# Altium PCB LED fix910 RD 2000278 (4F00224A_7P00494A).PcbDoc (part 2 of 3) (continued)
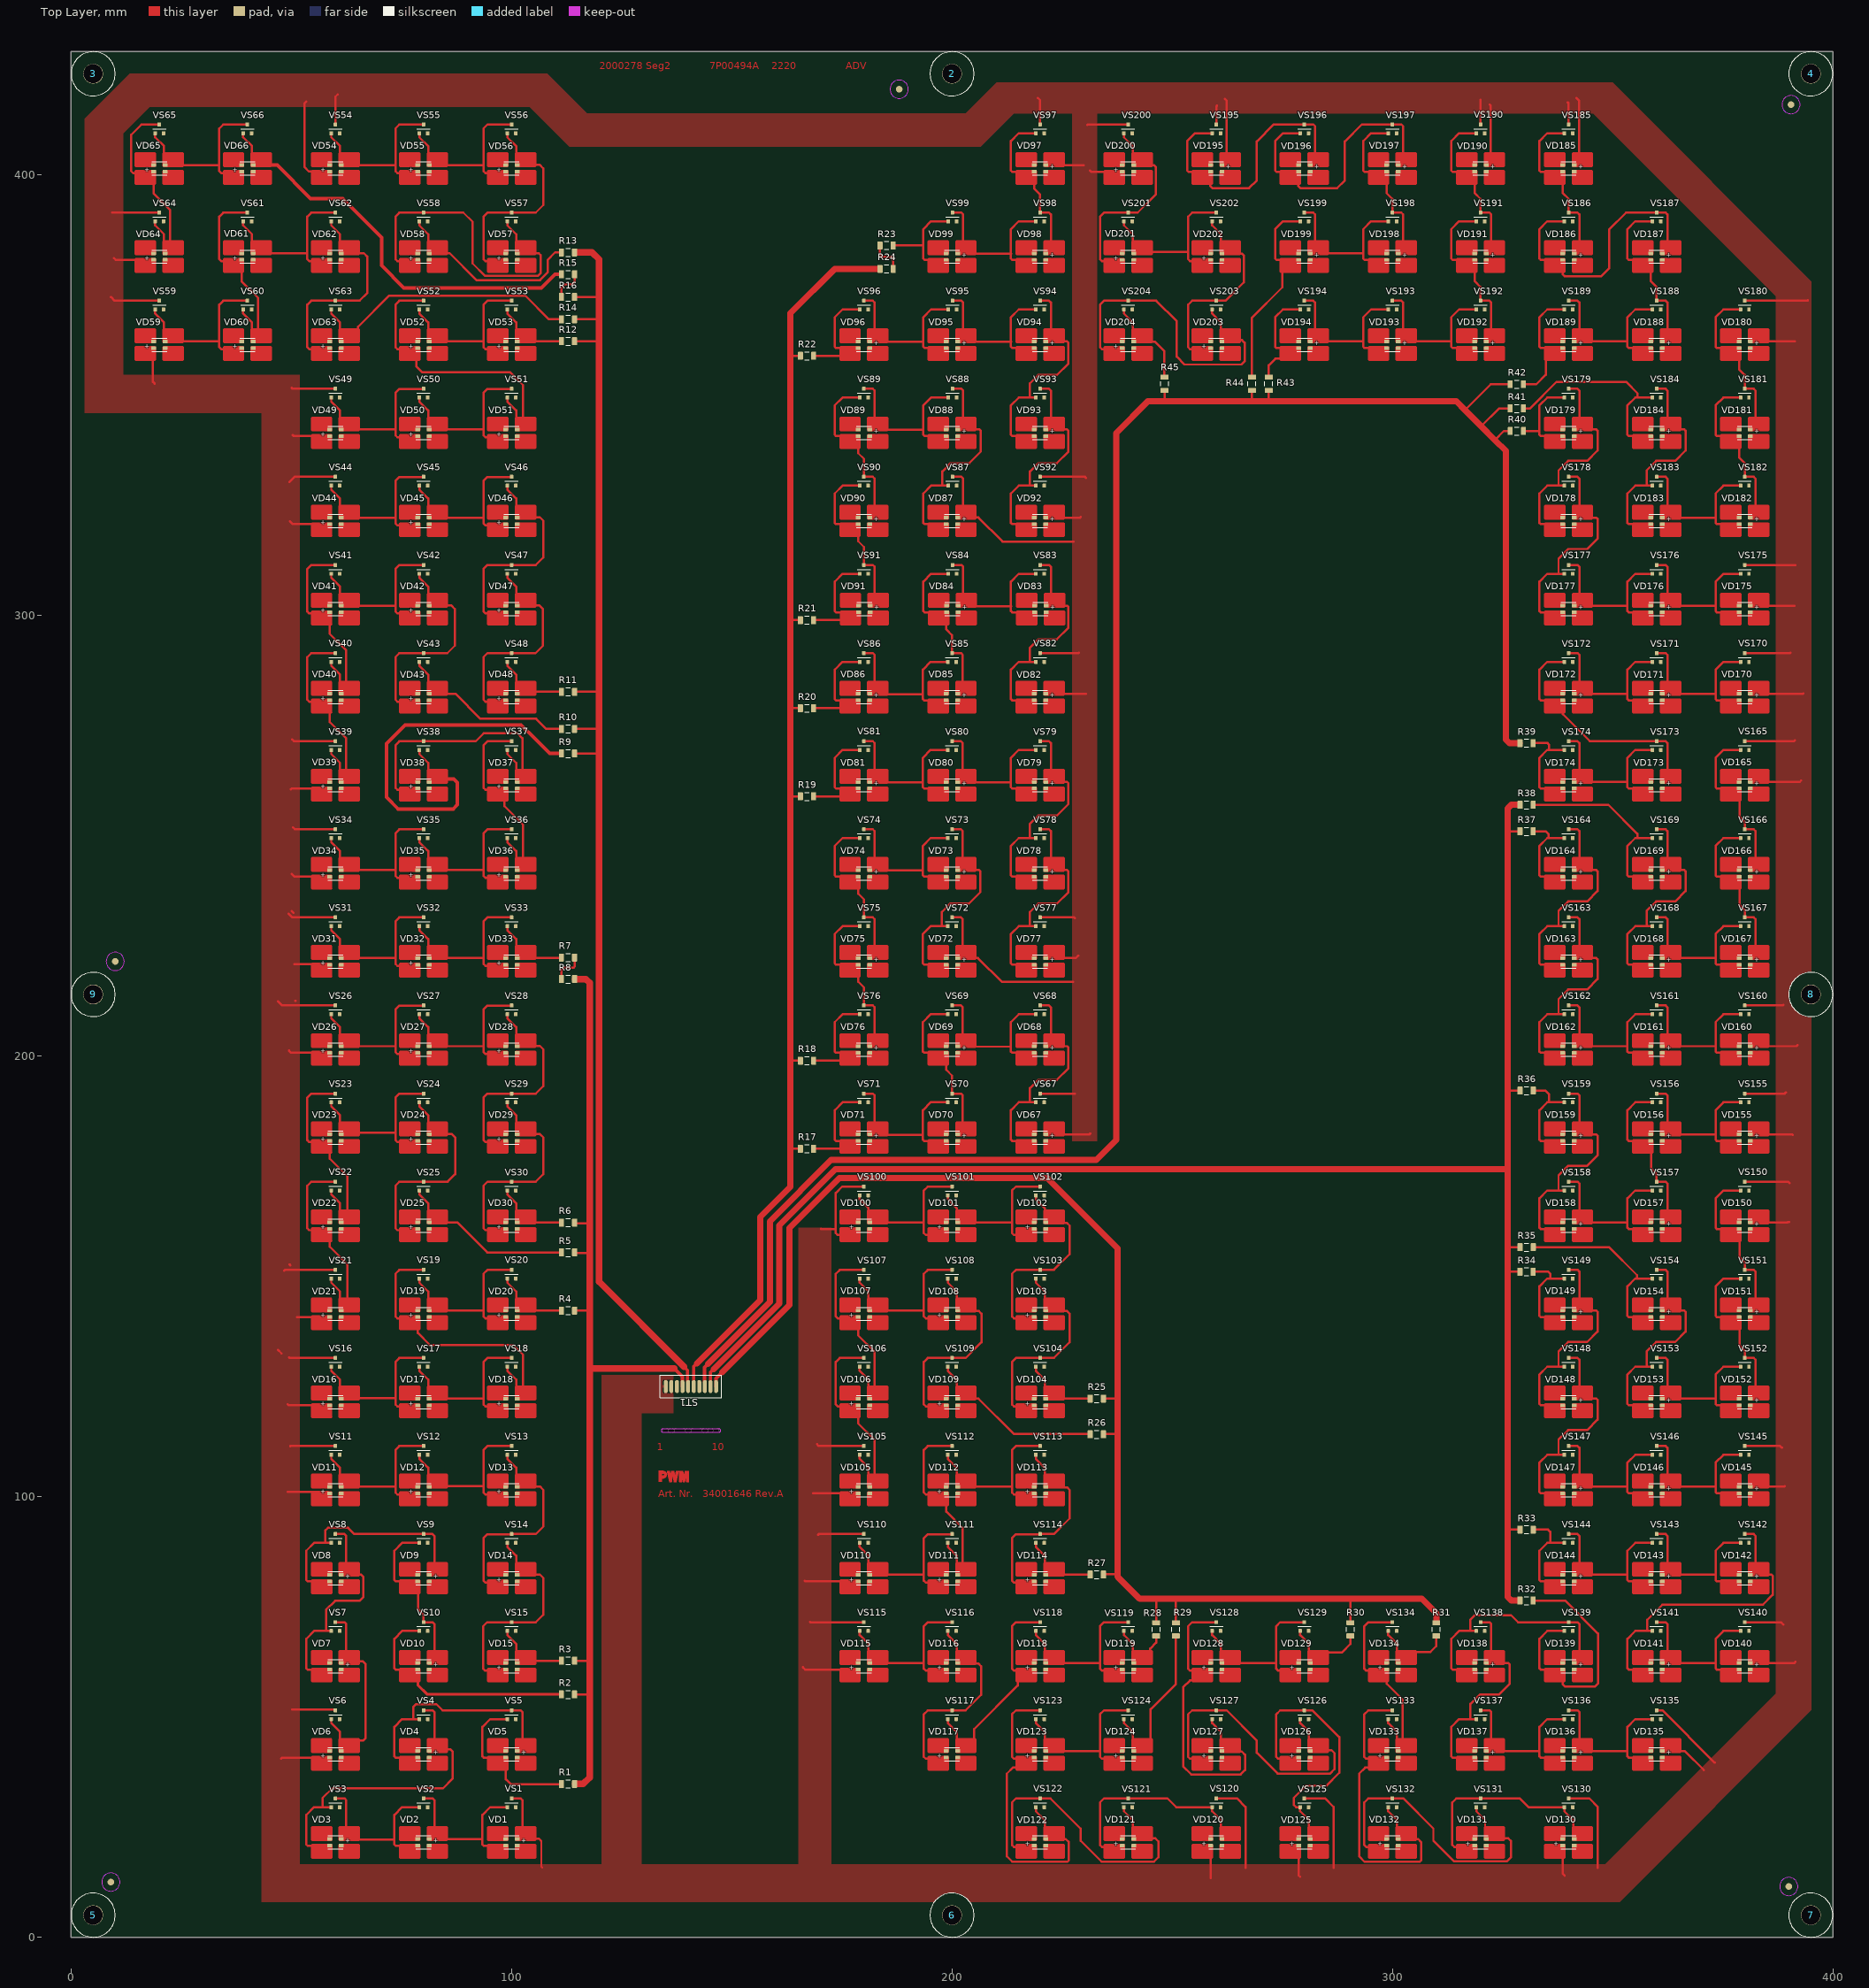
[diagram p0: Top Layer view]
## Nets (pads, with @x,y where several pads share a name; then routed paths per layer and width w, separated by ;. In a path a pad name is that pad's centre, name@x,y a point inside that pad or via, vN(x,y) a via of type N, cw(c..) or ccw(c..) an arc to the next point about the centre after c; other vN are vias at no path point) (continued)
  Top Layer w0.5: 55.187,160.475 54.062,160.475 53.612,160.925 53.612,170.575 54.512,171.475 VS22.3@59.912,171.475 ; VD22.2@58.7,160.75 58.7,156.725 62.75,152.675 62.75,144.725 ; VS21.1@59.05,149.5 59.05,148.575 61.05,146.575 61.05,144.45
NetVD22_1: VD22.1 VD23.2 VS22.1 VS23.3 | length 41.7
  Top Layer w0.5: 55.187,180.475 54.062,180.475 53.612,180.925 53.612,190.575 54.512,191.475 VS23.3@59.912,191.475 ; VD23.2@58.7,180.75 58.7,176.725 62.75,172.675 62.75,164.725 ; VS22.1@59.05,169.5 59.05,168.575 61.05,166.575 61.05,164.45
NetVD23_1: VD23.1 VD24.2 VS23.1 VS24.3 | length 36.4
  Top Layer w0.5: VS23.1@59.05,189.5 59.05,188.575 61.05,186.575 61.05,184.45 ; VD23.1@61.3,182.25 61.45,182.25 61.85,182.65 73.612,182.65 ; 75.187,180.475 74.062,180.475 73.612,180.925 73.612,182.65 ; VS24.3@79.912,191.475 74.512,191.475 73.612,190.575 73.612,182.65
NetVD24_1: VD24.1 VD25.2 VS24.1 VS25.3 | length 42.4
  Top Layer w0.5: 75.187,160.475 74.062,160.475 73.612,160.925 73.612,170.575 74.512,171.475 VS25.3@79.912,171.475 ; VS24.1@79.05,189.5 79.05,188.575 81.05,186.575 81.05,184.45 ; VS25.3@80,171.5 85.5,171.5 87.2,173.2 87.2,181.525 86.425,182.3 85.325,182.3
NetVD26_1: VD26.1 VD27.2 VS26.1 VS27.3 | length 36.3
  Top Layer w0.5: VS26.1@59.05,209.5 59.05,208.575 61.05,206.575 61.05,204.45 ; VD26.1@61.3,202.25 73.537,202.25 73.612,202.175 ; 75.187,200.475 74.062,200.475 73.612,200.925 73.612,202.175 ; VS27.3@79.912,211.475 74.512,211.475 73.612,210.575 73.612,202.175
NetVD27_1: VD27.1 VD28.2 VS27.1 VS28.3 | length 36.3
  Top Layer w0.5: VS27.1@79.05,209.5 79.05,208.575 81.05,206.575 81.05,204.45 ; VD27.1@81.3,202.25 93.537,202.25 93.612,202.175 ; 95.187,200.475 94.062,200.475 93.612,200.925 93.612,202.175 ; VS28.3@99.912,211.475 94.512,211.475 93.612,210.575 93.612,202.175
NetVD28_1: VD28.1 VD29.2 VS28.1 VS29.3 | length 42.4
  Top Layer w0.5: 95.187,180.475 94.062,180.475 93.612,180.925 93.612,190.575 94.512,191.475 VS29.3@99.912,191.475 ; VS28.1@99.05,209.5 99.05,208.575 101.05,206.575 101.05,204.45 ; VS29.3@100,191.5 105.5,191.5 107.2,193.2 107.2,201.525 106.425,202.3 105.325,202.3
NetVD29_1: VD29.1 VD30.2 VS29.1 VS30.3 | length 42.4
  Top Layer w0.5: 95.187,160.475 94.062,160.475 93.612,160.925 93.612,170.575 94.512,171.475 VS30.3@99.912,171.475 ; VS29.1@99.05,189.5 99.05,188.575 101.05,186.575 101.05,184.45 ; VS30.3@100,171.5 105.5,171.5 107.2,173.2 107.2,181.525 106.425,182.3 105.325,182.3
NetVD31_1: VD31.1 VD32.2 VS31.1 VS32.3 | length 36.3
  Top Layer w0.5: VS31.1@59.05,229.5 59.05,228.575 61.05,226.575 61.05,224.45 ; VD31.1@61.3,222.25 73.612,222.25 ; 75.187,220.475 74.062,220.475 73.612,220.925 73.612,222.25 ; VS32.3@79.912,231.475 74.512,231.475 73.612,230.575 73.612,222.25
NetVD32_1: VD32.1 VD33.2 VS32.1 VS33.3 | length 36.3
  Top Layer w0.5: VS32.1@79.05,229.5 79.05,228.575 81.05,226.575 81.05,224.45 ; VD32.1@81.3,222.25 93.512,222.25 93.612,222.35 ; 95.187,220.475 94.062,220.475 93.612,220.925 93.612,222.35 ; VS33.3@99.912,231.475 94.512,231.475 93.612,230.575 93.612,222.35
NetVD34_1: VD34.1 VD35.2 VS34.1 VS35.3 | length 36.3
  Top Layer w0.5: VS34.1@59.05,249.5 59.05,248.575 61.05,246.575 61.05,244.45 ; VD34.1@61.3,242.25 73.612,242.25 ; 75.187,240.475 74.062,240.475 73.612,240.925 73.612,242.25 ; VS35.3@79.912,251.475 74.512,251.475 73.612,250.575 73.612,242.25
NetVD35_1: VD35.1 VD36.2 VS35.1 VS36.3 | length 36.3
  Top Layer w0.5: VS35.1@79.05,249.5 79.05,248.575 81.05,246.575 81.05,244.45 ; VD35.1@81.3,242.25 93.612,242.25 ; 95.187,240.475 94.062,240.475 93.612,240.925 93.612,242.25 ; VS36.3@99.912,251.475 94.512,251.475 93.612,250.575 93.612,242.25
NetVD36_1: VD36.1 VD37.2 VS36.1 VS37.3 | length 42.1
  Top Layer w0.5: 95.187,260.475 94.062,260.475 93.612,260.925 93.612,270.575 94.512,271.475 VS37.3@99.912,271.475 ; VD37.2@98.7,260.75 98.7,258.7 98.4,258.4 98.4,256.725 102.575,252.55 102.575,244.45 ; VS36.1@99.05,249.5 99.05,248.575 101.05,246.575 101.05,244.45
NetVD37_1: VD37.1 VD38.2 VS37.1 VS38.3 | length 55.2
  Top Layer w0.5: 75.187,260.475 74.062,260.475 73.612,260.925 73.612,270.575 74.512,271.475 VS38.3@79.912,271.475 ; VS38.3@80,271.5 91.875,271.5 93.675,273.3 101.325,273.3 102.45,272.175 102.45,264.575 ; VS37.1@99.05,269.5 99.05,268.575 101.05,266.575 101.05,264.45
NetVD39_1: VD39.1 VD40.2 VS39.1 VS40.3 | length 41.8
  Top Layer w0.5: 55.187,280.475 54.062,280.475 53.612,280.925 53.612,290.575 54.512,291.475 VS40.3@59.912,291.475 ; VD40.2@58.7,280.75 58.7,275.85 62.425,272.125 62.425,264.425 ; VS39.1@59.05,269.5 59.05,268.575 61.05,266.575 61.05,264.45
NetVD40_1: VD40.1 VD41.2 VS40.1 VS41.3 | length 41.8
  Top Layer w0.5: 55.187,300.475 54.062,300.475 53.612,300.925 53.612,302.25 53.612,310.575 54.512,311.475 VS41.3@59.912,311.475 ; VD41.2@58.7,300.75 58.7,295.85 62.425,292.125 62.425,284.425 ; VS40.1@59.05,289.5 59.05,288.575 61.05,286.575 61.05,284.45
NetVD41_1: VD41.1 VD42.2 VS41.1 VS42.3 | length 36.3
  Top Layer w0.5: VS41.1@59.05,309.5 59.05,308.575 61.05,306.575 61.05,304.45 ; VD41.1@61.3,302.25 73.612,302.25 ; 75.187,300.475 74.062,300.475 73.612,300.925 73.612,302.25 ; VS42.3@79.912,311.475 74.512,311.475 73.612,310.575 73.612,302.25
NetVD42_1: VD42.1 VD43.2 VS42.1 VS43.3 | length 42.4
  Top Layer w0.5: 75.187,280.475 74.062,280.475 73.612,280.925 73.612,282.25 73.612,290.575 74.512,291.475 79.912,291.475 85.413,291.475 87.113,293.175 87.113,301.5 86.338,302.275 85.238,302.275 ; VS42.1@79.05,309.5 79.05,308.575 81.05,306.575 81.05,304.45
NetVD44_1: VD44.1 VD45.2 VS44.1 VS45.3 | length 36.3
  Top Layer w0.5: VS44.1@59.05,329.5 59.05,328.575 61.05,326.575 61.05,324.45 ; VD44.1@61.3,322.25 73.612,322.25 ; 75.187,320.475 74.062,320.475 73.612,320.925 73.612,322.25 ; VS45.3@79.912,331.475 74.512,331.475 73.612,330.575 73.612,322.25
NetVD45_1: VD45.1 VD46.2 VS45.1 VS46.3 | length 36.3
  Top Layer w0.5: VS45.1@79.05,329.5 79.05,328.575 81.05,326.575 81.05,324.45 ; VD45.1@81.3,322.25 93.612,322.25 ; 95.187,320.475 94.062,320.475 93.612,320.925 93.612,322.25 ; VS46.3@99.912,331.475 94.512,331.475 93.612,330.575 93.612,322.25
NetVD46_1: VD46.1 VD47.2 VS46.1 VS47.3 | length 42.4
  Top Layer w0.5: 95.187,300.475 94.062,300.475 93.612,300.925 93.612,302.25 93.612,310.575 94.512,311.475 VS47.3@99.912,311.475 ; VS46.1@99.05,329.5 99.05,328.575 101.05,326.575 101.05,324.45 ; VS47.3@100,311.5 105.5,311.5 107.2,313.2 107.2,321.525 106.425,322.3 105.325,322.3
NetVD47_1: VD47.1 VD48.2 VS47.1 VS48.3 | length 42.4
  Top Layer w0.5: 95.187,280.475 94.062,280.475 93.612,280.925 93.612,282.25 93.612,290.575 94.512,291.475 99.912,291.475 105.413,291.475 107.113,293.175 107.113,301.5 106.338,302.275 105.238,302.275 ; VS47.1@99.05,309.5 99.05,308.575 101.05,306.575 101.05,304.45
NetVD49_1: VD49.1 VD50.2 VS49.1 VS50.3 | length 36.3
  Top Layer w0.5: VS49.1@59.05,349.5 59.05,348.575 61.05,346.575 61.05,344.45 ; VD49.1@61.3,342.25 73.612,342.25 ; 75.187,340.475 74.062,340.475 73.612,340.925 73.612,342.25 ; VS50.3@79.912,351.475 74.512,351.475 73.612,350.575 73.612,342.25
NetVD50_1: VD50.1 VD51.2 VS50.1 VS51.3 | length 36.3
  Top Layer w0.5: VS50.1@79.05,349.5 79.05,348.575 81.05,346.575 81.05,344.45 ; VD50.1@81.3,342.25 93.612,342.25 ; 95.187,340.475 94.062,340.475 93.612,340.925 93.612,342.25 ; VS51.3@99.912,351.475 94.512,351.475 93.612,350.575 93.612,342.25
NetVD51_1: VD51.1 VD52.2 VS51.1 VS52.3 | length 59.9
  Top Layer w0.5: 75.187,360.475 74.062,360.475 73.612,360.925 73.612,370.575 74.512,371.475 VS52.3@79.912,371.475 ; 78.4,359.15 78.4,356.5 79.7,355.2 99.7,355.2 102.575,352.325 102.575,344.9 ; VS51.1@99.05,349.5 99.05,348.575 101.05,346.575 101.05,344.45
NetVD52_1: VD52.1 VD53.2 VS52.1 VS53.3 | length 36.3
  Top Layer w0.5: VS52.1@79.05,369.5 79.05,368.575 81.05,366.575 81.05,364.45 ; VD52.1@81.3,362.253 93.612,362.253 ; 95.187,360.478 94.062,360.478 93.612,360.928 93.612,362.253 ; VS53.3@99.912,371.478 94.512,371.478 93.612,370.578 93.612,362.253
NetVD54_1: VD54.1 VD55.2 VS54.1 VS55.3 | length 36.3
  Top Layer w0.5: VS54.1@59.05,409.5 59.05,408.575 61.05,406.575 61.05,404.45 ; VD54.1@61.3,402.253 73.612,402.253 ; 75.187,400.475 74.062,400.475 73.612,400.925 73.612,402.25 73.612,410.575 74.512,411.475 VS55.3@79.912,411.475
NetVD55_1: VD55.1 VD56.2 VS55.1 VS56.3 | length 36.3
  Top Layer w0.5: VS55.1@79.05,409.5 79.05,408.575 81.05,406.575 81.05,404.45 ; VD55.1@81.3,402.253 93.612,402.253 ; 95.187,400.475 94.062,400.475 93.612,400.925 93.612,402.25 93.612,410.575 94.512,411.475 VS56.3@99.912,411.475
NetVD56_1: VD56.1 VD57.2 VS56.1 VS57.3 | length 42.4
  Top Layer w0.5: 95.187,380.475 94.062,380.475 93.612,380.925 93.612,382.25 93.612,390.575 94.512,391.475 VS57.3@99.912,391.475 ; VS56.1@99.05,409.5 99.05,408.575 101.05,406.575 101.05,404.45 ; VS57.3@100,391.503 105.5,391.503 107.2,393.203 107.2,401.528 106.425,402.303 105.325,402.303
NetVD57_1: VD57.1 VD58.2 VS57.1 VS58.3 | length 71.9
  Top Layer w0.5: 75.187,380.475 74.062,380.475 73.612,380.925 73.612,390.575 74.512,391.475 VS58.3@79.912,391.475 ; VS58.3@80,391.5 89.025,391.5 91.125,389.4 91.125,379.95 93.975,377.1 105.95,377.1 106.625,377.775 106.625,381.8 106.172,382.253 VD57.1@101.3,382.253 ; VS57.1@99.05,389.5 99.05,388.575 101.05,386.575 101.05,384.45
NetVD59_1: VD59.1 VD60.2 VS59.1 VS60.3 | length 36.3
  Top Layer w0.5: VS59.1@19.05,369.5 19.05,368.575 21.05,366.575 21.05,364.45 ; VD59.1@21.3,362.253 33.612,362.253 ; 35.187,360.475 34.062,360.475 33.612,360.925 33.612,362.25 33.612,370.575 34.512,371.475 VS60.3@39.912,371.475
NetVD60_1: VD60.1 VD61.2 VS60.1 VS61.3 | length 41.8
  Top Layer w0.5: 35.187,380.475 34.062,380.475 33.612,380.925 33.612,382.25 33.612,390.575 34.512,391.475 VS61.3@39.912,391.475 ; VD61.2@38.7,380.753 38.7,375.853 42.425,372.128 42.425,364.428 ; VS60.1@39.05,369.5 39.05,368.575 41.05,366.575 41.05,364.45
NetVD61_1: VD61.1 VD62.2 VS61.1 VS62.3 | length 36.3
  Top Layer w0.5: VS61.1@39.05,389.5 39.05,388.575 41.05,386.575 41.05,384.45 ; VD61.1@41.3,382.253 53.612,382.253 ; 55.187,380.475 54.062,380.475 53.612,380.925 53.612,382.25 53.612,390.575 54.512,391.475 VS62.3@59.912,391.475
NetVD62_1: VD62.1 VD63.2 VS62.1 VS63.3 | length 42.4
  Top Layer w0.5: 55.187,360.475 54.062,360.475 53.612,360.925 53.612,362.25 53.612,370.575 54.512,371.475 VS63.3@59.912,371.475 ; VS62.1@59.05,389.5 59.05,388.575 61.05,386.575 61.05,384.45 ; VS63.3@60,371.503 65.5,371.503 67.2,373.203 67.2,381.528 66.425,382.303 65.325,382.303
NetVD64_1: VD64.1 VD65.2 VS64.1 VS65.3 | length 41
  Top Layer w0.5: 15.187,400.475 14.062,400.475 13.612,400.925 13.612,402.25 13.612,409.137 15.95,411.475 VS65.3@19.912,411.475 ; VD65.2@18.7,400.753 18.7,395.853 22.425,392.128 22.425,384.428 ; VS64.1@19.05,389.5 19.05,388.575 21.05,386.575 21.05,384.45
NetVD65_1: VD65.1 VD66.2 VS65.1 VS66.3 | length 36.3
  Top Layer w0.5: VS65.1@19.05,409.5 19.05,408.575 21.05,406.575 21.05,404.45 ; VD65.1@21.3,402.253 33.612,402.253 ; 35.187,400.475 34.062,400.475 33.612,400.925 33.612,402.25 33.612,410.575 34.512,411.475 VS66.3@39.912,411.475
NetVD67_1: VD67.1 VD68.2 VS67.1 VS68.3 | length 47.2
  Top Layer w0.5: 214.6,180.75 213.668,180.75 213.375,181.043 213.375,187.725 215.15,189.5 217.7,189.5 ; VS67.1@219.05,189.5 217.7,189.5 ; VS68.3@220,211.5 222.025,211.5 222.45,211.075 222.45,204.75 ; VD68.2@221.3,202.25 226.132,202.25 226.425,201.957 226.425,197.225 223.8,194.6 219.575,194.6 217.7,192.725 217.7,189.5
NetVD68_1: VD68.1 VD69.2 VS68.1 VS69.3 | length 35.4
  Top Layer w0.5: VS69.3@200,211.5 202.025,211.5 202.45,211.075 202.45,204.75 ; VD69.2@201.4,202.15 213.375,202.15 ; 214.6,200.75 213.668,200.75 213.375,201.043 213.375,202.15 ; VS68.1@219.05,209.5 215.15,209.5 213.375,207.725 213.375,202.15
NetVD69_1: VD69.1 VD70.2 VS69.1 VS70.3 | length 33.2
  Top Layer w0.5: 194.6,200.75 193.668,200.75 193.375,201.043 193.375,207.725 195.15,209.5 VS69.1@199.05,209.5 ; VD69.1@198.7,200.75 198.7,196.875 200,195.575 VS70.3@200,191.5 202.025,191.5 202.45,191.075 202.45,184.75
NetVD70_1: VD70.1 VD71.2 VS70.1 VS71.3 | length 35.4
  Top Layer w0.5: VS71.3@180,191.5 182.025,191.5 182.45,191.075 182.45,184.75 ; VD71.2@181.4,182.15 193.375,182.15 ; 194.6,180.75 193.668,180.75 193.375,181.043 193.375,182.15 ; VS70.1@199.05,189.5 195.15,189.5 193.375,187.725 193.375,182.15
NetVD72_1: VD72.1 VD73.2 VS72.1 VS73.3 | length 47.2
  Top Layer w0.5: 194.6,220.75 193.668,220.75 193.375,221.043 193.375,222.15 193.375,227.725 195.15,229.5 VS72.1@199.05,229.5 ; 197.7,229.5 197.7,232.725 199.575,234.6 203.8,234.6 206.425,237.225 206.425,241.957 206.132,242.25 VD73.2@201.3,242.25 ; VS73.3@200,251.5 202.025,251.5 202.45,251.075 202.45,244.75
NetVD73_1: VD73.1 VD74.2 VS73.1 VS74.3 | length 35.4
  Top Layer w0.5: VS74.3@180,251.5 182.025,251.5 182.45,251.075 182.45,244.75 ; VD74.2@181.4,242.15 193.375,242.15 ; 194.6,240.75 193.668,240.75 193.375,241.043 193.375,242.15 ; VS73.1@199.05,249.5 195.15,249.5 193.375,247.725 193.375,242.15
NetVD74_1: VD74.1 VD75.2 VS74.1 VS75.3 | length 33.2
  Top Layer w0.5: 174.6,240.75 173.668,240.75 173.375,241.043 173.375,242.15 173.375,247.725 175.15,249.5 VS74.1@179.05,249.5 ; VD74.1@178.7,240.75 178.7,236.875 180,235.575 VS75.3@180,231.5 182.025,231.5 182.45,231.075 182.45,224.75
NetVD75_1: VD75.1 VD76.2 VS75.1 VS76.3 | length 33.2
  Top Layer w0.5: 174.6,220.75 173.668,220.75 173.375,221.043 173.375,222.15 173.375,227.725 175.15,229.5 VS75.1@179.05,229.5 ; VD75.1@178.7,220.75 178.7,216.875 180,215.575 VS76.3@180,211.5 182.025,211.5 182.45,211.075 182.45,204.75
NetVD77_1: VD77.1 VD78.2 VS77.1 VS78.3 | length 47.2
  Top Layer w0.5: 214.6,220.75 213.668,220.75 213.375,221.043 213.375,222.15 213.375,227.725 215.15,229.5 VS77.1@219.05,229.5 ; 217.7,229.5 217.7,232.725 219.575,234.6 223.8,234.6 226.425,237.225 226.425,241.957 226.132,242.25 VD78.2@221.3,242.25 ; VS78.3@220,251.5 222.025,251.5 222.45,251.075 222.45,244.75
NetVD78_1: VD78.1 VD79.2 VS78.1 VS79.3 | length 47.2
  Top Layer w0.5: 214.6,240.75 213.668,240.75 213.375,241.043 213.375,242.15 213.375,247.725 215.15,249.5 VS78.1@219.05,249.5 ; 217.7,249.5 217.7,252.725 219.575,254.6 223.8,254.6 226.425,257.225 226.425,261.957 226.132,262.25 VD79.2@221.3,262.25 ; VS79.3@220,271.5 222.025,271.5 222.45,271.075 222.45,264.75
NetVD79_1: VD79.1 VD80.2 VS79.1 VS80.3 | length 35.4
  Top Layer w0.5: VS80.3@200,271.5 202.025,271.5 202.45,271.075 202.45,264.75 ; VD80.2@201.4,262.15 213.375,262.15 ; 214.6,260.75 213.668,260.75 213.375,261.043 213.375,262.15 ; VS79.1@219.05,269.5 215.15,269.5 213.375,267.725 213.375,262.15
NetVD80_1: VD80.1 VD81.2 VS80.1 VS81.3 | length 35.4
  Top Layer w0.5: VS81.3@180,271.5 182.025,271.5 182.45,271.075 182.45,264.75 ; VD81.2@181.4,262.15 193.375,262.15 ; 194.6,260.75 193.668,260.75 193.375,261.043 193.375,262.15 ; VS80.1@199.05,269.5 195.15,269.5 193.375,267.725 193.375,262.15
NetVD82_1: VD82.1 VD83.2 VS82.1 VS83.3 | length 47.2
  Top Layer w0.5: 214.6,280.75 213.668,280.75 213.375,281.043 213.375,282.15 213.375,287.725 215.15,289.5 VS82.1@219.05,289.5 ; 217.7,289.5 217.7,292.725 219.575,294.6 223.8,294.6 226.425,297.225 226.425,301.957 226.132,302.25 VD83.2@221.3,302.25 ; VS83.3@220,311.5 222.025,311.5 222.45,311.075 222.45,304.75
NetVD83_1: VD83.1 VD84.2 VS83.1 VS84.3 | length 35.4
  Top Layer w0.5: VS84.3@200.1,311.5 202.126,311.5 202.551,311.075 202.551,304.75 ; VD84.2@201.501,302.15 213.476,302.15 ; 214.6,300.75 213.668,300.75 213.375,301.043 213.375,302.15 213.375,307.725 215.15,309.5 VS83.1@219.05,309.5
NetVD84_1: VD84.1 VD85.2 VS84.1 VS85.3 | length 33.2
  Top Layer w0.5: 194.701,300.75 193.768,300.75 193.476,301.043 193.476,302.15 193.476,307.725 195.25,309.5 VS84.1@199.15,309.5 ; VD84.1@198.7,300.75 198.7,296.875 200,295.575 VS85.3@200,291.5 202.025,291.5 202.45,291.075 202.45,284.75
NetVD85_1: VD85.1 VD86.2 VS85.1 VS86.3 | length 35.4
  Top Layer w0.5: VS86.3@180,291.5 182.025,291.5 182.45,291.075 182.45,284.75 ; VD86.2@181.4,282.15 193.375,282.15 ; 194.6,280.75 193.668,280.75 193.375,281.043 193.375,282.15 ; VS85.1@199.05,289.5 195.15,289.5 193.375,287.725 193.375,282.15
NetVD87_1: VD87.1 VD88.2 VS87.1 VS88.3 | length 47.2
  Top Layer w0.5: 194.701,320.75 193.768,320.75 193.476,321.043 193.476,322.15 193.476,327.725 195.25,329.5 VS87.1@199.15,329.5 ; 197.801,329.5 197.801,332.725 199.676,334.6 203.901,334.6 206.526,337.225 206.526,341.957 206.233,342.25 VD88.2@201.401,342.25 ; VS88.3@200.1,351.5 202.126,351.5 202.551,351.075 202.551,344.75
NetVD88_1: VD88.1 VD89.2 VS88.1 VS89.3 | length 35.4
  Top Layer w0.5: VS89.3@180,351.5 182.025,351.5 182.45,351.075 182.45,344.75 ; VD89.2@181.4,342.15 193.375,342.15 ; 194.701,340.75 193.768,340.75 193.476,341.043 193.476,342.15 193.476,347.725 195.25,349.5 VS88.1@199.15,349.5
NetVD89_1: VD89.1 VD90.2 VS89.1 VS90.3 | length 33.2
  Top Layer w0.5: 174.6,340.75 173.668,340.75 173.375,341.043 173.375,342.15 173.375,347.725 175.15,349.5 VS89.1@179.05,349.5 ; VD89.1@178.7,340.75 178.7,336.875 180,335.575 VS90.3@180,331.5 182.025,331.5 182.45,331.075 182.45,324.75
NetVD90_1: VD90.1 VD91.2 VS90.1 VS91.3 | length 33.2
  Top Layer w0.5: 174.6,320.75 173.668,320.75 173.375,321.043 173.375,322.15 173.375,327.725 175.15,329.5 VS90.1@179.05,329.5 ; VD90.1@178.7,320.75 178.7,316.875 180,315.575 VS91.3@180,311.5 182.025,311.5 182.45,311.075 182.45,304.75
NetVD92_1: VD92.1 VD93.2 VS92.1 VS93.3 | length 47.2
  Top Layer w0.5: 214.6,320.75 213.668,320.75 213.375,321.043 213.375,322.15 213.375,327.725 215.15,329.5 VS92.1@219.05,329.5 ; 217.7,329.5 217.7,332.725 219.575,334.6 223.8,334.6 226.425,337.225 226.425,341.957 226.132,342.25 VD93.2@221.3,342.25 ; VS93.3@220,351.5 222.025,351.5 222.45,351.075 222.45,344.75
NetVD93_1: VD93.1 VD94.2 VS93.1 VS94.3 | length 47.2
  Top Layer w0.5: 214.6,340.75 213.668,340.75 213.375,341.043 213.375,342.15 213.375,347.725 215.15,349.5 VS93.1@219.05,349.5 ; 217.7,349.5 217.7,352.725 219.575,354.6 223.8,354.6 226.425,357.225 226.425,361.957 226.132,362.25 VD94.2@221.3,362.25 ; VS94.3@220,371.5 222.025,371.5 222.45,371.075 222.45,364.75
NetVD94_1: VD94.1 VD95.2 VS94.1 VS95.3 | length 35.4
  Top Layer w0.5: VS95.3@200.1,371.5 202.126,371.5 202.551,371.075 202.551,364.75 ; VD95.2@201.501,362.15 213.476,362.15 ; 214.6,360.75 213.668,360.75 213.375,361.043 213.375,362.15 213.375,367.725 215.15,369.5 VS94.1@219.05,369.5
NetVD95_1: VD95.1 VD96.2 VS95.1 VS96.3 | length 35.4
  Top Layer w0.5: VS96.3@180,371.5 182.025,371.5 182.45,371.075 182.45,364.75 ; VD96.2@181.4,362.15 193.375,362.15 ; 194.701,360.75 193.768,360.75 193.476,361.043 193.476,362.15 193.476,367.725 195.25,369.5 VS95.1@199.15,369.5
NetVD97_1: VD97.1 VD98.2 VS97.1 VS98.3 | length 33.2
  Top Layer w0.5: 214.6,400.75 213.668,400.75 213.375,401.043 213.375,402.15 213.375,407.725 215.15,409.5 VS97.1@219.05,409.5 ; VD97.1@218.7,400.75 218.7,396.875 220,395.575 VS98.3@220,391.5 222.025,391.5 222.45,391.075 222.45,384.75
NetVD98_1: VD98.1 VD99.2 VS98.1 VS99.3 | length 35.4
  Top Layer w0.5: VS99.3@200.1,391.5 202.126,391.5 202.551,391.075 202.551,384.75 ; VD99.2@201.501,382.15 213.476,382.15 ; 214.6,380.75 213.668,380.75 213.375,381.043 213.375,382.15 213.375,387.725 215.15,389.5 VS98.1@219.05,389.5
NetVD100_1: VD100.1 VD101.2 VS100.1 VS101.3 | length 36.3
  Top Layer w0.5: VS100.1@179.05,168.4 179.05,167.475 181.05,165.475 181.05,163.35 ; VD100.1@181.3,162.25 193.487,162.25 193.612,162.375 ; 195.187,159.375 194.062,159.375 193.612,159.825 193.612,162.375 ; VS101.3@199.912,170.375 194.512,170.375 193.612,169.475 193.612,162.375
NetVD101_1: VD101.1 VD102.2 VS101.1 VS102.3 | length 36.3
  Top Layer w0.5: VS101.1@199.05,168.4 199.05,167.475 201.05,165.475 201.05,163.35 ; VD101.1@201.3,162.25 213.587,162.25 213.612,162.275 ; 215.187,159.375 214.062,159.375 213.612,159.825 213.612,162.275 ; VS102.3@219.912,170.375 214.512,170.375 213.612,169.475 213.612,162.275
NetVD102_1: VD102.1 VD103.2 VS102.1 VS103.3 | length 44.3
  Top Layer w0.5: 215.187,140.475 214.062,140.475 213.612,140.925 213.612,150.575 214.512,151.475 VS103.3@219.912,151.475 ; VS102.1@219.05,168.4 219.05,167.475 221.05,165.475 221.05,163.35 ; VS103.3@220,151.5 223.15,151.5 226.7,155.05 226.7,161.525 226.125,162.1 222.2,162.1 222.169,162.131 221.419,162.131 VD102.1@221.3,162.25
NetVD103_1: VD103.1 VD104.2 VS103.1 VS104.3 | length 43.3
  Top Layer w0.5: 215.187,120.475 214.062,120.475 213.612,120.925 213.612,130.575 214.512,131.475 VS104.3@219.912,131.475 ; VS103.1@219.05,149.5 219.05,148.575 221.05,146.575 221.05,144.45 ; VS104.3@220,131.5 223.15,131.5 226.7,135.05 226.7,141.525 226.125,142.1 222.2,142.1
NetVD105_1: VD105.1 VD106.2 VS105.1 VS106.3 | length 41.7
  Top Layer w0.5: 175.187,120.475 174.062,120.475 173.612,120.925 173.612,130.575 174.512,131.475 VS106.3@179.912,131.475 ; VD106.2@178.7,120.75 178.7,116.6 182.45,112.85 182.45,104.55 ; VS105.1@179.05,109.5 179.05,108.575 181.05,106.575 181.05,104.45
NetVD106_1: VD106.1 VD107.2 VS106.1 VS107.3 | length 41.7
  Top Layer w0.5: 175.187,140.475 174.062,140.475 173.612,140.925 173.612,150.575 174.512,151.475 VS107.3@179.912,151.475 ; VD107.2@178.7,140.75 178.7,136.6 182.45,132.85 182.45,124.55 ; VS106.1@179.05,129.5 179.05,128.575 181.05,126.575 181.05,124.45
NetVD107_1: VD107.1 VD108.2 VS107.1 VS108.3 | length 36.3
  Top Layer w0.5: VS107.1@179.05,149.5 179.05,148.575 181.05,146.575 181.05,144.45 ; VD107.1@181.3,142.25 193.562,142.25 193.612,142.3 ; 195.187,140.475 194.062,140.475 193.612,140.925 193.612,142.3 ; VS108.3@199.912,151.475 194.512,151.475 193.612,150.575 193.612,142.3
NetVD108_1: VD108.1 VD109.2 VS108.1 VS109.3 | length 43.3
  Top Layer w0.5: 195.187,120.475 194.062,120.475 193.612,120.925 193.612,130.575 194.512,131.475 VS109.3@199.912,131.475 ; VS108.1@199.05,149.5 199.05,148.575 201.05,146.575 201.05,144.45 ; VS109.3@200,131.5 203.15,131.5 206.7,135.05 206.7,141.525 206.125,142.1 202.2,142.1
NetVD110_1: VD110.1 VD111.2 VS110.1 VS111.3 | length 36.3
  Top Layer w0.5: VS110.1@179.05,89.5 179.05,88.575 181.05,86.575 181.05,84.45 ; VD110.1@181.3,82.25 193.587,82.25 193.612,82.275 ; 195.187,80.475 194.062,80.475 193.612,80.925 193.612,82.275 ; VS111.3@199.912,91.475 194.512,91.475 193.612,90.575 193.612,82.275
NetVD111_1: VD111.1 VD112.2 VS111.1 VS112.3 | length 41.7
  Top Layer w0.5: 195.187,100.475 194.062,100.475 193.612,100.925 193.612,110.575 194.512,111.475 VS112.3@199.912,111.475 ; VD112.2@198.7,100.75 198.7,96.6 202.45,92.85 202.45,84.55 ; VS111.1@199.05,89.5 199.05,88.575 201.05,86.575 201.05,84.45
NetVD112_1: VD112.1 VD113.2 VS112.1 VS113.3 | length 36.3
  Top Layer w0.5: VS112.1@199.05,109.5 199.05,108.575 201.05,106.575 201.05,104.45 ; VD112.1@201.3,102.25 213.537,102.25 213.612,102.325 ; 215.187,100.475 214.062,100.475 213.612,100.925 213.612,102.325 ; VS113.3@219.912,111.475 214.512,111.475 213.612,110.575 213.612,102.325
NetVD113_1: VD113.1 VD114.2 VS113.1 VS114.3 | length 43.3
  Top Layer w0.5: 215.187,80.475 214.062,80.475 213.612,80.925 213.612,90.575 214.512,91.475 VS114.3@219.912,91.475 ; VS113.1@219.05,109.5 219.05,108.575 221.05,106.575 221.05,104.45 ; VS114.3@220,91.5 223.15,91.5 226.7,95.05 226.7,101.525 226.125,102.1 222.2,102.1
NetVD115_1: VD115.1 VD116.2 VS115.1 VS116.3 | length 36.3
  Top Layer w0.5: VS115.1@179.05,69.5 179.05,68.575 181.05,66.575 181.05,64.45 ; VD115.1@181.3,62.25 193.487,62.25 193.612,62.125 ; 195.187,60.475 194.062,60.475 193.612,60.925 193.612,62.125 ; VS116.3@199.912,71.475 194.512,71.475 193.612,70.575 193.612,62.125
NetVD116_1: VD116.1 VD117.2 VS116.1 VS117.3 | length 43.3
  Top Layer w0.5: 195.187,40.475 194.062,40.475 193.612,40.925 193.612,50.575 194.512,51.475 199.912,51.475 203.063,51.475 206.613,55.025 206.613,61.5 206.038,62.075 202.113,62.075 ; VS116.1@199.05,69.5 199.05,68.575 201.05,66.575 201.05,64.45
NetVD117_1: VD117.1 VD118.2 VS117.1 VS118.3 | length 42.5
  Top Layer w0.5: VS117.1@199.05,49.5 199.05,48.575 201.05,46.575 201.05,44.45 ; 205.05,44.8 205.05,47.25 214.918,57.118 214.918,59.207 214.875,59.25 ; 215.187,60.475 214.062,60.475 213.612,60.925 213.612,70.575 214.512,71.475 VS118.3@219.912,71.475
NetVD118_1: VD118.1 VD119.2 VS118.1 VS119.3 | length 36.3
  Top Layer w0.5: VS118.1@219.05,69.5 219.05,68.575 221.05,66.575 221.05,64.45 ; VD118.1@221.3,62.25 233.437,62.25 233.612,62.425 ; 235.187,60.475 234.062,60.475 233.612,60.925 233.612,62.425 ; VS119.3@239.912,71.475 234.512,71.475 233.612,70.575 233.612,62.425
NetVD120_1: VD120.1 VD121.2 VS120.1 VS121.3 | length 43.8
  Top Layer w0.5: 235.187,20.475 234.062,20.475 233.612,20.925 233.612,30.575 234.512,31.475 VS121.3@239.912,31.475 ; VS121.3@240,31.5 248.9,31.5 250.9,29.5 VS120.1@259.05,29.5 259.05,28.575 261.05,26.575 261.05,24.45
NetVD121_1: VD121.1 VD122.2 VS121.1 VS122.3 | length 64.7
  Top Layer w0.5: 215.187,20.475 214.062,20.475 213.612,20.925 213.612,30.575 214.512,31.475 219.912,31.475 222.363,31.475 229.213,24.625 229.213,21.875 233.938,17.15 245.888,17.15 246.863,18.125 246.863,21.75 246.188,22.425 244.938,22.425 ; VS121.1@239.05,29.5 239.05,28.575 241.05,26.575 241.05,24.45
NetVD122_1: VD122.1 VD123.2 VS122.1 VS123.3 | length 70.3
  Top Layer w0.5: 215.15,38.475 213.825,38.475 212.45,37.1 212.45,18.35 213.675,17.125 226.232,17.125 226.525,17.418 226.525,21.575 225.85,22.25 VD122.1@221.3,22.25 ; 215.187,40.475 214.062,40.475 213.612,40.925 213.612,50.575 214.512,51.475 VS123.3@219.912,51.475 ; VS122.1@219.05,29.5 219.05,28.575 221.05,26.575 221.05,24.45
NetVD123_1: VD123.1 VD124.2 VS123.1 VS124.3 | length 36.3
  Top Layer w0.5: VS123.1@219.05,49.5 219.05,48.575 221.05,46.575 221.05,44.45 ; VD123.1@221.3,42.25 233.612,42.25 ; 235.187,40.475 234.062,40.475 233.612,40.925 233.612,42.25 ; VS124.3@239.912,51.475 234.512,51.475 233.612,50.575 233.612,42.25

## Text inside footprints (layer, text, board x,y; h text height)
VD53: Top Overlay "+" at 97.8,361.605 h1 r180; Mechanical 13 "+" at 98.095,361.505 h1.25 r180
VD54: Top Overlay "+" at 57.8,401.603 h1 r180; Mechanical 13 "+" at 58.095,401.503 h1.25 r180
VD55: Top Overlay "+" at 77.8,401.603 h1 r180; Mechanical 13 "+" at 78.095,401.503 h1.25 r180
VD56: Top Overlay "+" at 97.8,401.603 h1 r180; Mechanical 13 "+" at 98.095,401.503 h1.25 r180
VD57: Top Overlay "+" at 97.8,381.603 h1 r180; Mechanical 13 "+" at 98.095,381.503 h1.25 r180
VD58: Top Overlay "+" at 77.8,381.603 h1 r180; Mechanical 13 "+" at 78.095,381.503 h1.25 r180
VD59: Top Overlay "+" at 17.8,361.603 h1 r180; Mechanical 13 "+" at 18.095,361.503 h1.25 r180
VD60: Top Overlay "+" at 37.8,361.603 h1 r180; Mechanical 13 "+" at 38.095,361.503 h1.25 r180
VD61: Top Overlay "+" at 37.8,381.603 h1 r180; Mechanical 13 "+" at 38.095,381.503 h1.25 r180
VD62: Top Overlay "+" at 57.8,381.603 h1 r180; Mechanical 13 "+" at 58.095,381.503 h1.25 r180
VD63: Top Overlay "+" at 57.8,361.603 h1 r180; Mechanical 13 "+" at 58.095,361.503 h1.25 r180
VD64: Top Overlay "+" at 17.8,381.603 h1 r180; Mechanical 13 "+" at 18.095,381.503 h1.25 r180
VD65: Top Overlay "+" at 17.8,401.603 h1 r180; Mechanical 13 "+" at 18.095,401.503 h1.25 r180
VD66: Top Overlay "+" at 37.8,401.603 h1 r180; Mechanical 13 "+" at 38.095,401.503 h1.25 r180
VD67: Top Overlay "+" at 222.2,181.4 h1; Mechanical 13 "+" at 221.905,181.5 h1.25
VD68: Top Overlay "+" at 222.2,201.4 h1; Mechanical 13 "+" at 221.905,201.5 h1.25
VD69: Top Overlay "+" at 202.2,201.4 h1; Mechanical 13 "+" at 201.905,201.5 h1.25
VD70: Top Overlay "+" at 202.2,181.4 h1; Mechanical 13 "+" at 201.905,181.5 h1.25
VD71: Top Overlay "+" at 182.2,181.4 h1; Mechanical 13 "+" at 181.905,181.5 h1.25
VD72: Top Overlay "+" at 202.2,221.4 h1; Mechanical 13 "+" at 201.905,221.5 h1.25
VD73: Top Overlay "+" at 202.2,241.4 h1; Mechanical 13 "+" at 201.905,241.5 h1.25
VD74: Top Overlay "+" at 182.2,241.4 h1; Mechanical 13 "+" at 181.905,241.5 h1.25
VD75: Top Overlay "+" at 182.2,221.4 h1; Mechanical 13 "+" at 181.905,221.5 h1.25
VD76: Top Overlay "+" at 182.2,201.4 h1; Mechanical 13 "+" at 181.905,201.5 h1.25
VD77: Top Overlay "+" at 222.2,221.4 h1; Mechanical 13 "+" at 221.905,221.5 h1.25
VD78: Top Overlay "+" at 222.2,241.4 h1; Mechanical 13 "+" at 221.905,241.5 h1.25
VD79: Top Overlay "+" at 222.2,261.4 h1; Mechanical 13 "+" at 221.905,261.5 h1.25
VD80: Top Overlay "+" at 202.2,261.4 h1; Mechanical 13 "+" at 201.905,261.5 h1.25
VD81: Top Overlay "+" at 182.2,261.4 h1; Mechanical 13 "+" at 181.905,261.5 h1.25
VD82: Top Overlay "+" at 222.2,281.4 h1; Mechanical 13 "+" at 221.905,281.5 h1.25
VD83: Top Overlay "+" at 222.3,301.4 h1; Mechanical 13 "+" at 222.005,301.5 h1.25
VD84: Top Overlay "+" at 202.3,301.4 h1; Mechanical 13 "+" at 202.005,301.5 h1.25
VD85: Top Overlay "+" at 202.2,281.4 h1; Mechanical 13 "+" at 201.905,281.5 h1.25
VD86: Top Overlay "+" at 182.2,281.4 h1; Mechanical 13 "+" at 181.905,281.5 h1.25
VD87: Top Overlay "+" at 202.2,321.4 h1; Mechanical 13 "+" at 201.905,321.5 h1.25
VD88: Top Overlay "+" at 202.2,341.4 h1; Mechanical 13 "+" at 201.905,341.5 h1.25
VD89: Top Overlay "+" at 182.2,341.4 h1; Mechanical 13 "+" at 181.905,341.5 h1.25
VD90: Top Overlay "+" at 182.2,321.4 h1; Mechanical 13 "+" at 181.905,321.5 h1.25
VD91: Top Overlay "+" at 182.3,301.4 h1; Mechanical 13 "+" at 182.005,301.5 h1.25
VD92: Top Overlay "+" at 222.2,321.4 h1; Mechanical 13 "+" at 221.905,321.5 h1.25
VD93: Top Overlay "+" at 222.2,341.4 h1; Mechanical 13 "+" at 221.905,341.5 h1.25
VD94: Top Overlay "+" at 222.2,361.4 h1; Mechanical 13 "+" at 221.905,361.5 h1.25
VD95: Top Overlay "+" at 202.2,361.4 h1; Mechanical 13 "+" at 201.905,361.5 h1.25
VD96: Top Overlay "+" at 182.2,361.4 h1; Mechanical 13 "+" at 181.905,361.5 h1.25
VD97: Top Overlay "+" at 222.2,401.4 h1; Mechanical 13 "+" at 221.905,401.5 h1.25
VD98: Top Overlay "+" at 222.2,381.4 h1; Mechanical 13 "+" at 221.905,381.5 h1.25
VD99: Top Overlay "+" at 202.2,381.4 h1; Mechanical 13 "+" at 201.905,381.5 h1.25
VD100: Top Overlay "+" at 177.8,161.6 h1 r180; Mechanical 13 "+" at 178.095,161.5 h1.25 r180
VD101: Top Overlay "+" at 197.8,161.6 h1 r180; Mechanical 13 "+" at 198.095,161.5 h1.25 r180
VD102: Top Overlay "+" at 217.8,161.6 h1 r180; Mechanical 13 "+" at 218.095,161.5 h1.25 r180
VD103: Top Overlay "+" at 217.8,141.6 h1 r180; Mechanical 13 "+" at 218.095,141.5 h1.25 r180
VD104: Top Overlay "+" at 217.8,121.6 h1 r180; Mechanical 13 "+" at 218.095,121.5 h1.25 r180
VD105: Top Overlay "+" at 177.8,101.6 h1 r180; Mechanical 13 "+" at 178.095,101.5 h1.25 r180
VD106: Top Overlay "+" at 177.8,121.6 h1 r180; Mechanical 13 "+" at 178.095,121.5 h1.25 r180
VD107: Top Overlay "+" at 177.8,141.6 h1 r180; Mechanical 13 "+" at 178.095,141.5 h1.25 r180
VD108: Top Overlay "+" at 197.8,141.6 h1 r180; Mechanical 13 "+" at 198.095,141.5 h1.25 r180
VD109: Top Overlay "+" at 197.8,121.6 h1 r180; Mechanical 13 "+" at 198.095,121.5 h1.25 r180
VD110: Top Overlay "+" at 177.8,81.6 h1 r180; Mechanical 13 "+" at 178.095,81.5 h1.25 r180
VD111: Top Overlay "+" at 197.8,81.6 h1 r180; Mechanical 13 "+" at 198.095,81.5 h1.25 r180
VD112: Top Overlay "+" at 197.8,101.6 h1 r180; Mechanical 13 "+" at 198.095,101.5 h1.25 r180
VD113: Top Overlay "+" at 217.8,101.6 h1 r180; Mechanical 13 "+" at 218.095,101.5 h1.25 r180
VD114: Top Overlay "+" at 217.8,81.6 h1 r180; Mechanical 13 "+" at 218.095,81.5 h1.25 r180
VD115: Top Overlay "+" at 177.8,61.6 h1 r180; Mechanical 13 "+" at 178.095,61.5 h1.25 r180
VD116: Top Overlay "+" at 197.8,61.6 h1 r180; Mechanical 13 "+" at 198.095,61.5 h1.25 r180
VD117: Top Overlay "+" at 197.8,41.6 h1 r180; Mechanical 13 "+" at 198.095,41.5 h1.25 r180
VD118: Top Overlay "+" at 217.8,61.6 h1 r180; Mechanical 13 "+" at 218.095,61.5 h1.25 r180
VD119: Top Overlay "+" at 237.8,61.6 h1 r180; Mechanical 13 "+" at 238.095,61.5 h1.25 r180
VD120: Top Overlay "+" at 257.8,21.6 h1 r180; Mechanical 13 "+" at 258.095,21.5 h1.25 r180
VD121: Top Overlay "+" at 237.8,21.6 h1 r180; Mechanical 13 "+" at 238.095,21.5 h1.25 r180
VD122: Top Overlay "+" at 217.8,21.6 h1 r180; Mechanical 13 "+" at 218.095,21.5 h1.25 r180
VD123: Top Overlay "+" at 217.8,41.6 h1 r180; Mechanical 13 "+" at 218.095,41.5 h1.25 r180
VD124: Top Overlay "+" at 237.8,41.6 h1 r180; Mechanical 13 "+" at 238.095,41.5 h1.25 r180
VD125: Top Overlay "+" at 277.8,21.6 h1 r180; Mechanical 13 "+" at 278.095,21.5 h1.25 r180
VD126: Top Overlay "+" at 277.8,41.6 h1 r180; Mechanical 13 "+" at 278.095,41.5 h1.25 r180
VD127: Top Overlay "+" at 257.8,41.6 h1 r180; Mechanical 13 "+" at 258.095,41.5 h1.25 r180
VD128: Top Overlay "+" at 257.8,61.6 h1 r180; Mechanical 13 "+" at 258.095,61.5 h1.25 r180
VD129: Top Overlay "+" at 277.8,61.6 h1 r180; Mechanical 13 "+" at 278.095,61.5 h1.25 r180
VD130: Top Overlay "+" at 337.8,21.6 h1 r180; Mechanical 13 "+" at 338.095,21.5 h1.25 r180
VD131: Top Overlay "+" at 317.8,21.6 h1 r180; Mechanical 13 "+" at 318.095,21.5 h1.25 r180
VD132: Top Overlay "+" at 297.8,21.6 h1 r180; Mechanical 13 "+" at 298.095,21.5 h1.25 r180
VD133: Top Overlay "+" at 297.8,41.6 h1 r180; Mechanical 13 "+" at 298.095,41.5 h1.25 r180
VD134: Top Overlay "+" at 297.8,61.6 h1 r180; Mechanical 13 "+" at 298.095,61.5 h1.25 r180
VD135: Top Overlay "+" at 362.2,41.4 h1; Mechanical 13 "+" at 361.905,41.5 h1.25
VD136: Top Overlay "+" at 342.2,41.4 h1; Mechanical 13 "+" at 341.905,41.5 h1.25
VD137: Top Overlay "+" at 322.2,41.4 h1; Mechanical 13 "+" at 321.905,41.5 h1.25
VD138: Top Overlay "+" at 322.2,61.4 h1; Mechanical 13 "+" at 321.905,61.5 h1.25
VD139: Top Overlay "+" at 342.2,61.4 h1; Mechanical 13 "+" at 341.905,61.5 h1.25
VD140: Top Overlay "+" at 382.2,61.4 h1; Mechanical 13 "+" at 381.905,61.5 h1.25
VD141: Top Overlay "+" at 362.2,61.4 h1; Mechanical 13 "+" at 361.905,61.5 h1.25
VD142: Top Overlay "+" at 382.2,81.4 h1; Mechanical 13 "+" at 381.905,81.5 h1.25
VD143: Top Overlay "+" at 362.2,81.4 h1; Mechanical 13 "+" at 361.905,81.5 h1.25
VD144: Top Overlay "+" at 342.2,81.4 h1; Mechanical 13 "+" at 341.905,81.5 h1.25
VD145: Top Overlay "+" at 382.2,101.4 h1; Mechanical 13 "+" at 381.905,101.5 h1.25
VD146: Top Overlay "+" at 362.2,101.4 h1; Mechanical 13 "+" at 361.905,101.5 h1.25
VD147: Top Overlay "+" at 342.2,101.4 h1; Mechanical 13 "+" at 341.905,101.5 h1.25
VD148: Top Overlay "+" at 342.2,121.4 h1; Mechanical 13 "+" at 341.905,121.5 h1.25
VD149: Top Overlay "+" at 342.2,141.4 h1; Mechanical 13 "+" at 341.905,141.5 h1.25
VD150: Top Overlay "+" at 382.2,161.4 h1; Mechanical 13 "+" at 381.905,161.5 h1.25
VD151: Top Overlay "+" at 382.2,141.4 h1; Mechanical 13 "+" at 381.905,141.5 h1.25
VD152: Top Overlay "+" at 382.2,121.4 h1; Mechanical 13 "+" at 381.905,121.5 h1.25
VD153: Top Overlay "+" at 362.2,121.4 h1; Mechanical 13 "+" at 361.905,121.5 h1.25
VD154: Top Overlay "+" at 362.2,141.4 h1; Mechanical 13 "+" at 361.905,141.5 h1.25
VD155: Top Overlay "+" at 382.2,181.4 h1; Mechanical 13 "+" at 381.905,181.5 h1.25
VD156: Top Overlay "+" at 362.2,181.4 h1; Mechanical 13 "+" at 361.905,181.5 h1.25
VD157: Top Overlay "+" at 362.2,161.4 h1; Mechanical 13 "+" at 361.905,161.5 h1.25
VD158: Top Overlay "+" at 342.2,161.4 h1; Mechanical 13 "+" at 341.905,161.5 h1.25
VD159: Top Overlay "+" at 342.2,181.4 h1; Mechanical 13 "+" at 341.905,181.5 h1.25
VD160: Top Overlay "+" at 382.2,201.4 h1; Mechanical 13 "+" at 381.905,201.5 h1.25
VD161: Top Overlay "+" at 362.2,201.4 h1; Mechanical 13 "+" at 361.905,201.5 h1.25
VD162: Top Overlay "+" at 342.2,201.4 h1; Mechanical 13 "+" at 341.905,201.5 h1.25
VD163: Top Overlay "+" at 342.2,221.4 h1; Mechanical 13 "+" at 341.905,221.5 h1.25
VD164: Top Overlay "+" at 342.2,241.4 h1; Mechanical 13 "+" at 341.905,241.5 h1.25
VD165: Top Overlay "+" at 382.2,261.4 h1; Mechanical 13 "+" at 381.905,261.5 h1.25
VD166: Top Overlay "+" at 382.2,241.4 h1; Mechanical 13 "+" at 381.905,241.5 h1.25
VD167: Top Overlay "+" at 382.2,221.4 h1; Mechanical 13 "+" at 381.905,221.5 h1.25
VD168: Top Overlay "+" at 362.2,221.4 h1; Mechanical 13 "+" at 361.905,221.5 h1.25
VD169: Top Overlay "+" at 362.2,241.4 h1; Mechanical 13 "+" at 361.905,241.5 h1.25
VD170: Top Overlay "+" at 382.2,281.4 h1; Mechanical 13 "+" at 381.905,281.5 h1.25
VD171: Top Overlay "+" at 362.2,281.4 h1; Mechanical 13 "+" at 361.905,281.5 h1.25
VD172: Top Overlay "+" at 342.2,281.4 h1; Mechanical 13 "+" at 341.905,281.5 h1.25
VD173: Top Overlay "+" at 362.2,261.4 h1; Mechanical 13 "+" at 361.905,261.5 h1.25
VD174: Top Overlay "+" at 342.2,261.4 h1; Mechanical 13 "+" at 341.905,261.5 h1.25
VD175: Top Overlay "+" at 382.2,301.4 h1; Mechanical 13 "+" at 381.905,301.5 h1.25
VD176: Top Overlay "+" at 362.2,301.4 h1; Mechanical 13 "+" at 361.905,301.5 h1.25
VD177: Top Overlay "+" at 342.2,301.4 h1; Mechanical 13 "+" at 341.905,301.5 h1.25
VD178: Top Overlay "+" at 342.2,321.4 h1; Mechanical 13 "+" at 341.905,321.5 h1.25
VD179: Top Overlay "+" at 342.2,341.4 h1; Mechanical 13 "+" at 341.905,341.5 h1.25
VD180: Top Overlay "+" at 382.2,361.4 h1; Mechanical 13 "+" at 381.905,361.5 h1.25
VD181: Top Overlay "+" at 382.2,341.4 h1; Mechanical 13 "+" at 381.905,341.5 h1.25
VD182: Top Overlay "+" at 382.2,321.4 h1; Mechanical 13 "+" at 381.905,321.5 h1.25
VD183: Top Overlay "+" at 362.2,321.4 h1; Mechanical 13 "+" at 361.905,321.5 h1.25
VD184: Top Overlay "+" at 362.2,341.4 h1; Mechanical 13 "+" at 361.905,341.5 h1.25
VD185: Top Overlay "+" at 342.2,401.4 h1; Mechanical 13 "+" at 341.905,401.5 h1.25
VD186: Top Overlay "+" at 342.2,381.4 h1; Mechanical 13 "+" at 341.905,381.5 h1.25
VD187: Top Overlay "+" at 362.2,381.4 h1; Mechanical 13 "+" at 361.905,381.5 h1.25
VD188: Top Overlay "+" at 362.2,361.4 h1; Mechanical 13 "+" at 361.905,361.5 h1.25
VD189: Top Overlay "+" at 342.2,361.4 h1; Mechanical 13 "+" at 341.905,361.5 h1.25
VD190: Top Overlay "+" at 322.2,401.4 h1; Mechanical 13 "+" at 321.905,401.5 h1.25
VD191: Top Overlay "+" at 322.2,381.4 h1; Mechanical 13 "+" at 321.905,381.5 h1.25
VD192: Top Overlay "+" at 322.2,361.4 h1; Mechanical 13 "+" at 321.905,361.5 h1.25
VD193: Top Overlay "+" at 302.2,361.4 h1; Mechanical 13 "+" at 301.905,361.5 h1.25
VD194: Top Overlay "+" at 282.2,361.4 h1; Mechanical 13 "+" at 281.905,361.5 h1.25
VD195: Top Overlay "+" at 262.2,401.4 h1; Mechanical 13 "+" at 261.905,401.5 h1.25
VD196: Top Overlay "+" at 282.2,401.4 h1; Mechanical 13 "+" at 281.905,401.5 h1.25
VD197: Top Overlay "+" at 302.2,401.4 h1; Mechanical 13 "+" at 301.905,401.5 h1.25
VD198: Top Overlay "+" at 302.2,381.4 h1; Mechanical 13 "+" at 301.905,381.5 h1.25
VD199: Top Overlay "+" at 282.2,381.4 h1; Mechanical 13 "+" at 281.905,381.5 h1.25
VD200: Top Overlay "+" at 237.8,401.6 h1 r180; Mechanical 13 "+" at 238.095,401.5 h1.25 r180
VD201: Top Overlay "+" at 237.8,381.6 h1 r180; Mechanical 13 "+" at 238.095,381.5 h1.25 r180
VD202: Top Overlay "+" at 257.8,381.6 h1 r180; Mechanical 13 "+" at 258.095,381.5 h1.25 r180
VD203: Top Overlay "+" at 257.8,361.6 h1 r180; Mechanical 13 "+" at 258.095,361.5 h1.25 r180
VD204: Top Overlay "+" at 237.8,361.6 h1 r180; Mechanical 13 "+" at 238.095,361.5 h1.25 r180